# Altium PCB Printing.PcbDoc (part 5 of 5)
Units mil, origin at the board's own origin, x right, y up, seen from the top; angles counter-clockwise.
Board outline 7490 x 7700 mil, 4 copper layers (Top Layer, 5v/3.3V, 24V, Bottom Layer), stack 23.756 mil thick; 442 components, 334 nets, 1379 pads, 508 vias.
Unrouted connection lines stored in the file: 151.
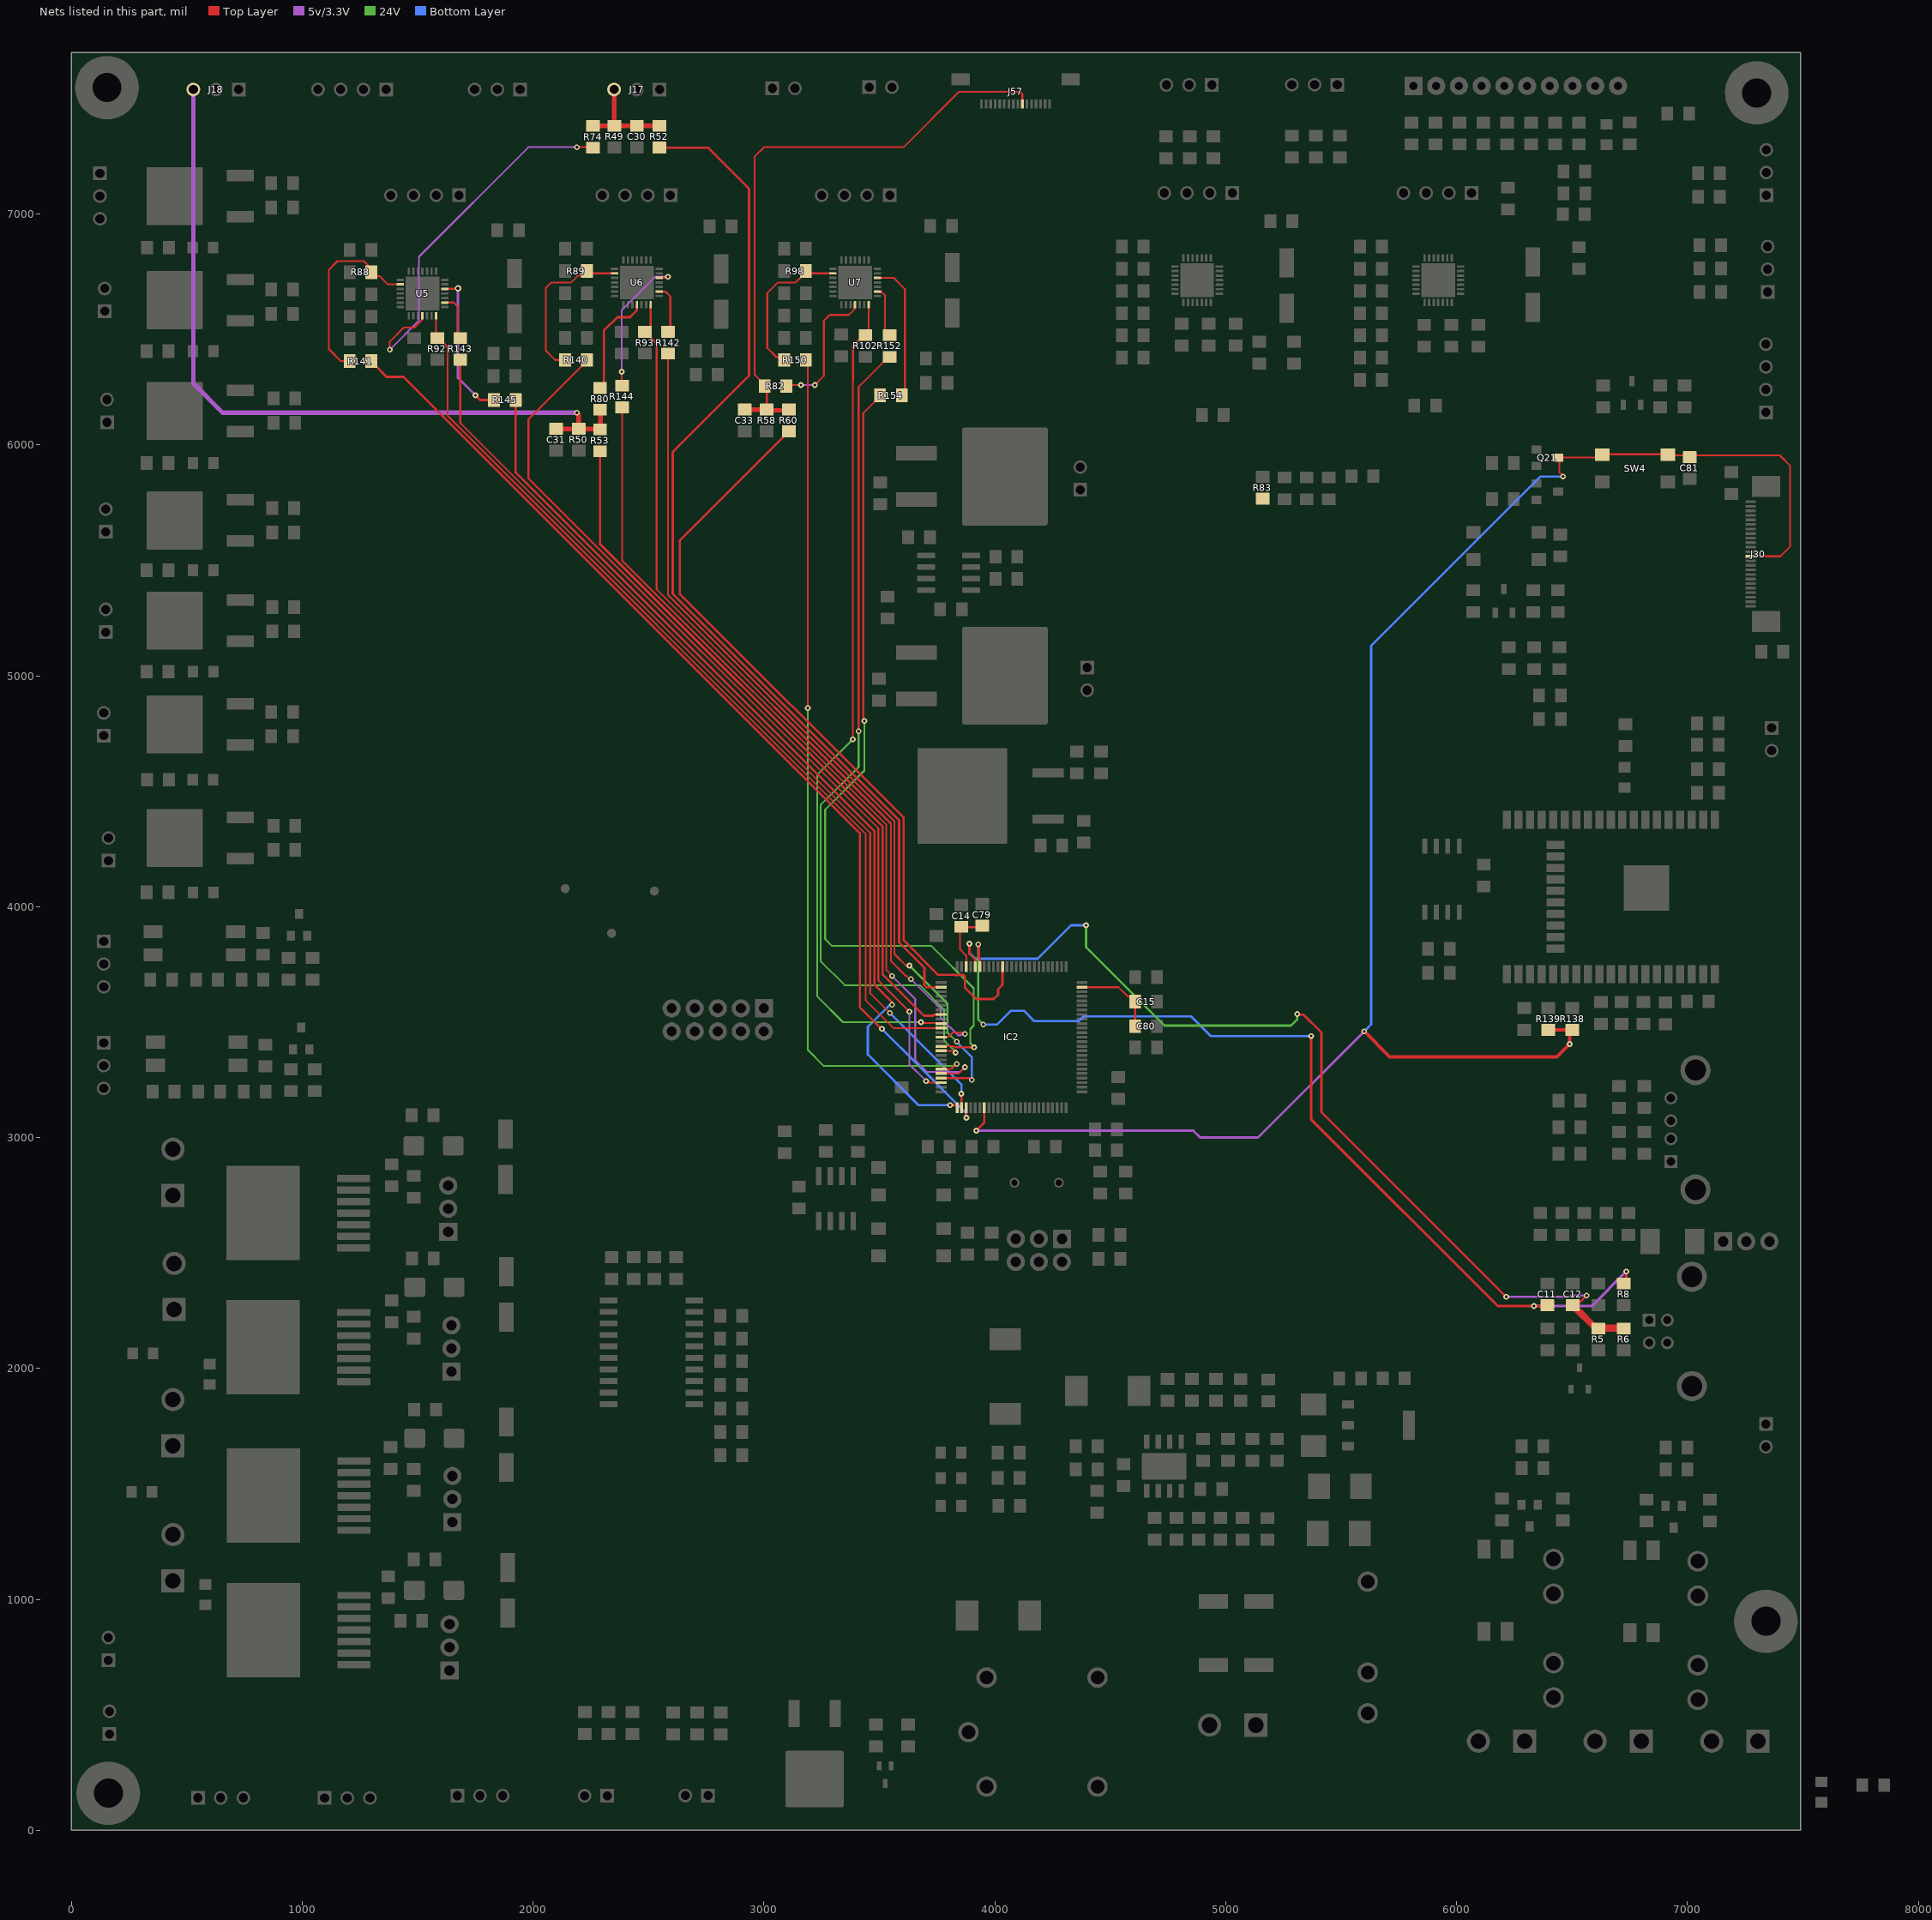
[diagram p7: the nets of this part, all layers, seen from the top]

## Via types
v1: diameter 25, hole 12, Top Layer to Bottom Layer, tented both sides, 482 vias
v2: diameter 19.68, hole 11.81, Top Layer to Bottom Layer, 15 vias
v3: diameter 28, hole 14, Top Layer to Bottom Layer, tented both sides, 9 vias
v4: diameter 24, hole 12, Top Layer to Bottom Layer, tented both sides, 2 vias

## Nets (pads, with @x,y where several pads share a name; then routed paths per layer and width w, separated by ;. In a path a pad name is that pad's centre, name@x,y a point inside that pad or via, vN(x,y) a via of type N, cw(c..) or ccw(c..) an arc to the next point about the centre after c; other vN are vias at no path point) (continued)
USB_CPU_N: C11.2 IC2.70 R8.1 | length 4201.6
  Top Layer w10: v1(3927.75,3837.25) 3930.5,3834.5 3930.5,3779.85 3935.79,3774.57 3935.79,3741.07 IC2.70@3934.82,3740.11
  Top Layer w12: v1(5370,3440) 5370,3080 6180,2270 6389.24,2270 C11.2@6393,2273.76 ; R8.1@6724.42,2369.27 6735,2379.85 v1(6735,2420)
  5v/3.3V w12: v1(6335,2270) 6585,2270 v1(6735,2420)
  24V w10: v1(3927.75,3837.25) 3927.75,3512.25 v1(3950,3490)
  Bottom Layer w10: v1(3950,3490) 4009.85,3490 4069.35,3549.5 4125.15,3549.5 4170.15,3504.5 4363.54,3504.5 4384.04,3525 4849.65,3525 4934.65,3440 v1(5370,3440)
USB_CPU_P: C12.2 IC2.71 R5.1 R6.1 | length 4197.3
  Top Layer w10: v1(3890,3840) 3890,3796.31 3915.14,3771.17 IC2.71@3915.14,3740.11 ; v1(5310,3535) 5312.5,3532.5 5337.5,3532.5 5415,3455 5415,3110 v1(6215,2310) ; C12.2@6521.94,2273.76 6563,2314.82 v1(6563,2316)
  Top Layer w30: C12.2@6503.47,2273.76 6512.7,2264.52 6516.64,2264.52 6518,2263.17 6518,2259.23 6593.39,2183.83 6603.35,2183.83 R5.1@6613.94,2173.24 ; R5.1@6616.41,2175.17 6620.35,2175.17 6620.74,2174.78 6724.02,2174.78 R6.1@6724.42,2174.39
  5v/3.3V w10: v1(6215,2310) 6215.5,2310.5 6492.5,2310.5 6498,2316 v1(6563,2316)
  24V w10: v1(4395,3920) 4395,3825 4735,3485 5282.3,3485 5310,3512.7 v1(5310,3535)
  Bottom Layer w10: v1(3890,3840) 3890,3800 3915,3775 4185.47,3775 4330.47,3920 v1(4395,3920)
VCAP1: C15.2 C80.2 IC2.49 | length 362.2
  Top Layer w8: IC2.49@4377.73,3651.52 4535.86,3651.52 4575.56,3611.82 4586.34,3611.82 4604.51,3593.66 C15.2@4604.51,3582.88 ; C80.2@4607.93,3482.22 C15.2@4607.93,3582.88
VCAP2: C14.2 C79.2 IC2.73 | length 269.8
  Top Layer w8: C14.2@3849.52,3905 3849.52,3814.16 3876.75,3786.93 3876.75,3741.09 IC2.73@3875.77,3740.11 ; C14.2@3860.27,3912.28 3861.41,3911.14 3951.36,3911.14 C79.2@3952.5,3910
WIFI_IO0: C81.1 IC2.7 J30.12 Q21.3 R138.1 R139.2 SW4.2 SW4.3 | length 7610
  Top Layer w8: v1(6461.29,5863.71) 6461.29,5865.78 6445,5882.07 6445,5940.65 Q21.3@6440.16,5945.5 6618.88,5945.5 SW4.2@6631.54,5958.15 6633.11,5959.72 SW4.3@6915,5959.72 ; SW4.3@6915,5958.15 6918.15,5955 7002.24,5955 C81.1@7010,5947.24 7017.76,5955 7400,5955 7445,5910 7445,5560 7403.03,5518.03 J30.12@7273.76,5518.03
  Top Layer w10: v1(3920,3030) 3954.51,3064.51 IC2.7@3954.51,3129.87
  Top Layer w15: v1(5600,3460) 5710,3350 6435,3350 v1(6490,3405) 6490,3453.58 6502.22,3465.8 R138.1@6501.65,3466.38 R139.2@6397.65,3466.38
  5v/3.3V w10: v1(3920,3030) 4860,3030 4890,3000 5140,3000 v1(5600,3460)
  Bottom Layer w10: v1(5600,3460) 5630,3490 5630,5130 6363.71,5863.71 v1(6461.29,5863.71)
X-: IC2.77 R52.1 | length 4576
  Top Layer w10: R52.1@2547,7288.18 2756.82,7288.18 2935,7110 2935,6300 2605,5970 2605,5355 3585,4375 3585,3845 3695,3735 3695,3660 3703.48,3651.52 IC2.77@3767.5,3651.52
X-0: C30.1 J17.3 R49.2 R52.2 R74.1 | length 453.5
  Top Layer w20: R74.1@2260,7382.24 2260.21,7382.46 R49.2@2352.39,7382.46 ; J17.3@2350.57,7540 2351.48,7539.09 2351.48,7383.58 R49.2@2352.39,7382.67 ; R49.2@2358.4,7382.67 C30.1@2449.69,7382.67 R52.2@2561.33,7382.67
X_DIR: IC2.1 R145.1 | length 4046.9
  Top Layer w10: R145.1@1924.49,6195 1924.49,5880.51 3479,4326 3479,3661 3555,3585 v1(3555,3575.5) ; v1(3806.75,3140.5) 3835.1,3140.5 3836.4,3139.2 IC2.1@3836.4,3129.87
  Bottom Layer w10: v1(3555,3575.5) 3554.61,3575.89 3546.33,3575.89 3534.94,3564.5 3534.5,3564.5 3450,3480 3450,3360 3669.5,3140.5 v1(3806.75,3140.5)
x_DIR1: R145.2 U5.19 | length 669.5
  Top Layer w10: U5.19@1617.09,6676.09 1617.4,6676.4 1672.48,6676.4 v3(1674.41,6678.33) ; v1(1750,6215) 1770,6195 R145.2@1830,6195 R145.2@1810,6215
  5v/3.3V w10: v3(1674.41,6678.33) 1674.41,6290.59 v1(1750,6215)
X_EN: IC2.3 R141.1 | length 4440.5
  Top Layer w10: R141.1@1296.65,6362.15 1320,6338.8 1321.18,6338.8 1364.98,6295 1439.04,6295 3415,4319.04 3415,3565 v1@3510,3470 ; IC2.3@3875.77,3129.87 3876.26,3129.38 3876.26,3085.99 v1(3876.75,3085.5)
  Bottom Layer w10: v1@3506.9,3475 v1(3510.95,3470.95) 3670.51,3311.39 3873.88,3108.02 3873.88,3088.37 v1(3876.75,3085.5)
X_EN1: R88.1 R141.2 U5.2 | length 837.5
  Top Layer w8: R141.2@1202.17,6363.33 1167.41,6363.33 1115,6415.74 1115,6758.92 1152.41,6796.33 1266.41,6796.33 1288.41,6774.33 1288.41,6741.66 1297.8,6732.28 1298.74,6731.33 1335.41,6731.33 1370.97,6695.77 U5.2@1424.17,6695.77
X_STEP: IC2.2 R143.1 | length 4139
  Top Layer w8: R143.1@1684.41,6368.84 1684.41,6095.59 3460,4320 3460,3625 v1(3545,3540) ; v1(3855,3190) 3855.54,3189.46 3855.54,3130.41 IC2.2@3856.08,3129.87 IC2.2@3856.42,3130.2
  Bottom Layer w10: v1(3545,3540) 3855,3230 v1(3855,3190)
X_STEP1: R143.2 U5.16 | length 197.8
  Top Layer w8: U5.16@1617.09,6617.03 1655.71,6617.03 1674.41,6598.33 R143.2@1674.41,6465.58
X_UART: IC2.86 R92.1 U5.14 | length 4115.3
  Top Layer w8: U5.14@1579.69,6559.94 1579.69,6470.3 1584.41,6465.58 1588.35,6465.58 1629.41,6424.51 1629.41,6127.26 3440,4316.67 3440,3595 3560.64,3474.36 IC2.86@3767.5,3474.36
XDIAG: R74.2 U5.11 | length 1638.4
  Top Layer w8: v1(1379.41,6413.33) 1379.41,6448.33 1439.41,6508.33 1485.37,6508.33 1519.31,6542.28 1519.31,6558.63 U5.11@1520.63,6559.94 ; v1(2190,7290) 2257.76,7290 R74.2@2260,7287.76
  5v/3.3V w8: v1(1379.41,6413.33) 1505,6538.92 1505,6815 1980,7290 v1(2190,7290)
Y-: IC2.83 R53.1 | length 3103.4
  Top Layer w10: R53.1@2290,5972.76 2290,5570 3514,4346 3514,3706.35 3692.81,3527.54 3732.19,3527.54 3736.76,3532.11 3766.2,3532.11 IC2.83@3767.5,3533.41
Y_0: C31.1 J18.3 R50.2 R53.2 R80.1 | length 3349.8
  Top Layer w20: C31.1@2100,6070 R50.2@2197.31,6070 ; v1(2190,6140) 2190,6138.65 2197.31,6131.34 R50.2@2197.31,6070 ; R80.1@2290,6152.76 2292.31,6150.45 2292.31,6072.31 2294.61,6070 R50.2@2197.31,6070
  5v/3.3V w20: J18.3@528.15,7550 528.15,6266.85 655,6140 v1(2190,6140)
Y_DIR: IC2.96 R144.1 | length 3711.7
  Top Layer w8: R144.1@2385,6162.76 2385,5500 3530,4355 3530,3725 v1(3555,3700) ; IC2.96@3767.5,3277.51 3842.51,3277.51 3852.86,3287.86 v1(3870,3305)
  5v/3.3V w8: v1(3555,3700) 3655,3600 3655,3335 3705,3285 3850,3285 v1(3870,3305)
Y_DIR1: R144.2 U6.19 | length 627.6
  Top Layer w8: v1(2384,6317) 2384,6258.24 R144.2@2385,6257.24 ; U6.19@2546.3,6723.84 2574.99,6723.84 2579.81,6728.66 v1(2584.41,6728.66)
  5v/3.3V w8: v1(2384,6317) 2384,6584 2528.66,6728.66 v1(2584.41,6728.66)
Y_EN: IC2.98 R140.1 | length 4009.8
  Top Layer w8: R140.1@2233.46,6368.33 2233.46,6364.39 1980,6110.93 1980,5855 3495,4340 3495,3680 v1(3630,3545) ; v1(3702.75,3244.5) 3707.35,3244.5 3713.71,3238.14 IC2.98@3767.5,3238.14
  5v/3.3V w8: v1(3630,3545) 3630,3317.25 v1(3702.75,3244.5)
Y_EN1: R89.1 R140.2 U6.2 | length 710.1
  Top Layer w8: R140.2@2138.98,6368.33 2095.41,6368.33 2055,6408.74 2055,6679.92 2078.41,6703.33 2163.41,6703.33 2192.88,6732.8 2210.06,6732.8 R89.1@2231.65,6754.39 ; R89.1@2233.46,6745.38 2235.31,6743.53 U6.2@2353.39,6743.53 U6.2@2363.39,6743.53
Y_STEP: IC2.97 R142.1 | length 3838.3
  Top Layer w8: R142.1@2584.41,6396.09 2584.41,5350.59 3565,4370 3565,3795 3619.19,3740.81 3620.12,3741.75 3626.75,3741.75 v1(3630,3745) ; IC2.97@3767.5,3257.82 3888.08,3257.82 3895.4,3250.5 v1(3900,3250.5)
  24V w8: v1(3630,3745) 3795,3580 3795,3455 v1(3835,3415)
  Bottom Layer w10: v1(3835,3415) 3900,3350 v1(3900,3250.5)
Y_STEP1: R142.2 U6.16 | length 208.9
  Top Layer w8: U6.16@2546.3,6664.79 2572.95,6664.79 2594.41,6643.33 2594.41,6505.58 R142.2@2584.41,6495.58
Y_UART: IC2.88 R93.1 U6.14 | length 3929.5
  Top Layer w8: R93.1@2458.88,6468.09 2458.88,6468.98 2480.47,6490.58 R93.1@2481.36,6490.58 ; R93.1@2474.41,6490.58 2496,6512.17 2503.24,6512.17 2508.9,6517.82 U6.14@2508.9,6607.7 ; R93.1@2484.41,6490.58 2488.35,6490.58 2509.94,6468.98 2509.94,6465.05 2535,6439.98 2535,5375 3550,4360 3550,3765 3615,3700 3618.38,3700 3631.89,3686.49 v1(3636.49,3686.49) ; IC2.88@3767.5,3434.99 3769.8,3437.29 3800.01,3437.29 3818.22,3455.5 3859.2,3455.5 3865.65,3449.05 v1(3870.25,3449.05)
  5v/3.3V w8: v1(3636.49,3686.49) 3636.74,3686.49 3765,3558.23 3765,3520 3841.75,3443.25 3849.75,3443.25 3852.29,3445.8 3866.99,3445.8 v1(3870.25,3449.05)
YDIAG: R80.2 U6.11 | length 458.9
  Top Layer w10: R80.2@2290,6247.24 2306.41,6263.65 2306.41,6495.33 2364.41,6553.33 2419.41,6553.33 2449.53,6583.45 2449.53,6607.39 U6.11@2449.84,6607.7
Z+0: R83.1
Z-: IC2.65 R60.1 | length 3481.7
  Top Layer w10: R60.1@3107.8,6059.18 2635,5586.39 2635,5355 3605,4385 3605,3855 3755,3705 3824.61,3705 3825.13,3704.48 3864.14,3704.48 3870,3698.63 3870,3650 3920,3600 3994.65,3600 4014.2,3619.55 4014.2,3642.31 4033.25,3661.36 IC2.65@4033.25,3740.11
Z_0: C33.1 J57.7 R58.2 R60.2 R82.1 | length 2695.3
  Top Layer w8: C33.1@2892.18,6175.26 2912.34,6155.1 2897.9,6140.65 C33.1@2897.9,6136.72 ; R58.2@3012.11,6153.67 3012.11,6262.89 2998.8,6262.89 2981.17,6280.53 2981.17,6283.07 2960,6304.24 2960,7250 3000,7290 3605,7290 3845,7530 4110,7530 4119.53,7520.47 J57.7@4119.53,7477.64
  Top Layer w20: C33.1@2916.43,6153.67 R58.2@3012.11,6153.67 3015.78,6150 3104.13,6150 R60.2@3107.8,6153.67
Z_DIR: IC2.90 R154.1 | length 3609.8
  Top Layer w8: v1(3435,4805) 3430,4805 3430,6138.31 3502.76,6211.06 R154.1@3502.76,6215 R154.1@3499.76,6212 ; IC2.90@3767.5,3395.62 3767.81,3395.31 3821.46,3395.31 3825.27,3391.5 3909.3,3391.5 v1(3910,3390.8)
  24V w8: v1(3435,4805) 3435,4590 3265,4420 3265,3860 3295,3830 3725,3830 3908.5,3646.5 3908.5,3485.27 3893.75,3470.51 3893.75,3409.2 3910,3392.94 v1(3910,3390.8)
Z_DIR1: R154.2 U7.19 | length 619.3
  Top Layer w8: U7.19@3491.1,6723.84 3520.32,6723.84 3561.9,6723.84 3610.41,6675.33 R154.2@3610.41,6195.41
Z_EN: IC2.95 R150.1 | length 3751
  Top Layer w8: R150.1@3181.65,6368.33 3190,6359.98 v1(3190,4860) v1@3190,4855 ; IC2.95@3767.5,3297.19 3812.19,3297.19 3834,3319 v1(3835,3319)
  24V w8: v1(3190,4860) 3190,3380 3260,3310 3821.4,3310 3830.4,3319 v1(3835,3319)
Z_EN1: R98.1 R150.2 U7.2 | length 654.1
  Top Layer w8: R150.2@3087.17,6373.33 3080.02,6380.48 3054.26,6380.48 3014.41,6420.33 3014.41,6658.33 3059.41,6703.33 3136.45,6703.33 3146.04,6712.92 3146.24,6712.92 3160.06,6726.74 3160.06,6728.22 3180.17,6748.33 3181.65,6748.33 3186.46,6743.53 U7.2@3298.19,6743.53
Z_STEP: IC2.91 R152.1 | length 3642.9
  Top Layer w8: v1(3410,4760) 3410,6251.68 3518.88,6360.56 3518.88,6364.5 3540.47,6386.09 R152.1@3544.41,6386.09 ; IC2.91@3767.5,3375.93 3817.47,3375.93 3825.4,3368 v1(3830,3368)
  24V w8: v1(3410,4760) 3410,4605 3245,4440 3245,3765 3350,3660 3675,3660 3780,3555 3780,3421.5 3830,3371.5 v1(3830,3368)
Z_STEP1: R152.2 U7.16 | length 209.8
  Top Layer w8: U7.16@3491.1,6664.79 3492.42,6663.47 3508.77,6663.47 3524.41,6647.83 R152.2@3524.41,6478.33
Z_UART: IC2.85 R102.1 U7.14 | length 3676.6
  Top Layer w8: v1(3385,4725) 3385,6273.92 3385.41,6274.33 3385.41,6430.49 3435.49,6480.58 R102.1@3439.16,6480.58 ; R102.1@3438.48,6481.26 3453.7,6496.48 U7.14@3453.7,6607.7 ; v1(3680,3500) 3684.05,3495.95 3765.59,3495.95 IC2.85@3767.5,3494.04
  24V w8: v1(3385,4725) 3230,4570 3230,3611.77 3341.77,3500 v1(3680,3500)
ZDIAG: R82.2 U7.11 | length 593
  Top Layer w8: R82.2@3097.24,6255 3102.24,6260 v1(3160,6260) ; v1(3220,6260) 3259.41,6299.41 3259.41,6538.33 3284.41,6563.33 3366.63,6563.33 3393.33,6590.03 3393.33,6606.39 U7.11@3394.65,6607.7
  5v/3.3V w8: v1(3160,6260) v1(3220,6260)
pads on no net: FID1.1 FID2.1 FID3.1 IC2.6 IC2.18 IC2.51 J1.3 J30.1 J30.2 J30.24 J47.1 J47.8 J57.16 J57.MP1 J57.MP2 RLY1.4 U4.32 U4.37 U5.7 U5.9 U5.10 U5.12 U5.17 U5.20 U5.25 U6.7 U6.9 U6.10 U6.12 U6.17 U6.20 U6.25 U7.7 U7.9 U7.10 U7.12 U7.17 U7.20 U7.25 U8.7 U8.9 U8.10 U8.12 U8.17 U8.20 U8.25 U9.7 U9.9 U9.10 U9.12 U9.17 U9.20 U9.25 U17.1 U17.8

## Polygon pours and split planes (outlines as drawn)
220_N on Top Layer "220_N_L01_P117" (solid, pour order 117): 6440,625 6400,625 6375,610 6375,520 6560,335 6625,335 6660,370 6660,430 6750,520 7080,520 7110,550 7110,595 7080,625
220_L on Top Layer "220_L_L01_P122" (solid, pour order 122): 6355.04,432.41 6345.04,442.41 6345.04,447.41 6245.04,447.41 6235.04,437.41 6235.04,337.41 6235.04,202.41 6290.04,147.41 7135.04,147.41 7175.04,187.41 7175.04,437.41 7160.04,452.41 6762.41,452.41 6730.04,420.04 6730.04,347.41 6670.04,287.41 6495.04,287.41 6355.04,427.41 6355.04,437.41 6345.04,447.41
GND on Top Layer "Top Layer-GND 3" (solid, pour order 34): 1944.41,6618.33 1954.41,6608.33 1954.41,6483.33 1944.41,6473.33 1814.41,6473.33 1804.41,6483.33 1804.41,6608.33 1814.41,6618.33
+24VA on Top Layer "Top Layer-GND 3" (solid, pour order 33): 1943.41,6812.33 1953.41,6802.33 1953.41,6677.33 1943.41,6667.33 1813.41,6667.33 1803.41,6677.33 1803.41,6802.33 1813.41,6812.33
24V_SW on Top Layer "Top Layer-24V_SW" (solid, pour order 106): 5057.5,522.5 5085,550 5480.23,550 5586.89,735 5665,735 5712.5,687.5 5712.5,362.5 5680,330 5075,330 5057.5,347.5
+3V3 on Top Layer "Top Layer-+3V3" (solid, pour order 112): 5775,1991.38 5776.38,1990 5885,1990 5885,1945 5865,1925 5795,1925 5775,1945
NetC64_2 on Top Layer "NETC64_2_L01_P120" (solid, pour order 120): 3960,2185 3950,2175 3950,2085 3985,2050 4665,2050 4725,1990 4725,1930 5225,1930 5225,1990 5180,2035 4830,2035 4680,2185 4665,2185
NetD8_2 on Top Layer "Top Layer-NetD8_2" (solid, pour order 60): 5505,1525 5535,1555 5695,1555 5705,1545 5705,895 5680,870 5525,870 5505,890
NetC17_2 on Top Layer "NETC17_2_L01_P119" (solid, pour order 119): 3960,1855 3960,1755 3980,1735 4280,1735 4315,1700 4315,1535 4325,1525 4375,1525 4385,1535 4385,1710 4390,1715 4490,1715 4560,1645 4670,1645 4680,1655 4680,1725 4665,1740 4540,1740 4410,1850 4410,1970 4395,1985 4305,1985 4190,1870 3975,1870
NetC17_2 on Top Layer "Top Layer-NetC17_2" (solid, pour order 4): 4672.5,1722.5 4672.5,1652.5 4637.5,1652.5 4622.5,1667.5 4622.5,1712.5 4632.5,1722.5
GND on Top Layer "Top Layer-GND 2" (solid, pour order 61): 4675,1990 4690,1975 4690,1905 4695,1900 5000,1900 5010,1890 5010,1795 4990,1775 4585,1775 4515,1845 4515,1985 4520,1990
+24V on Top Layer "Top Layer-+24V 1" (solid, pour order 104): 5445,1555 5475,1525 5475,680 5400,605 5090,605 5055,640 5055,1030 5140,1115 5220,1115 5330,1225 5330,1530 5355,1555
+24V on Top Layer "Top Layer-+24V" (solid, pour order 105): 4845,1290 4920,1290 4930,1280 4930,1160 4950,1140 5165,1140 5190,1115 5190,1045 5170,1025 5135,1060 4885,1060 4840,1105 4840,1285
GND on Top Layer "Top Layer-GND 1" (solid, pour order 109): 4865,320 4860,320 4875,320 4995,320 5020,345 5020,1030 5015,1035 4810,1035 4790,1015 4790,355 4825,320 4875,320
+24VA on Top Layer "Top Layer-+24VA 4" (solid, pour order 72): 4190,7515 4200,7525 4320,7525 4345,7500 4345,7415 4320,7390 4215,7390 4190,7415
GND on Top Layer "Top Layer-GND" (solid, pour order 65): 3955,7450 3935,7430 3790,7430 3765,7405 3765,7310 3785,7290 3935,7290 3950,7305 3950,7365 4010,7425 4010,7505 4005,7510 3955,7510
HOTEND on Top Layer "Top Layer-HOTEND" (solid, pour order 64): 4010,5915 3970,5955 3970,7370 4015,7415 4015,7515 4020,7520 4080,7520 4085,7515 4085,7360 4265,7180 4265,6145 4270,6140 4270,5655 4245,5630 3990,5630 3990,5945 3960,5975 3970,5985 3970,6070
+24VA on Top Layer "Top Layer-GND 4" (solid, pour order 52): 1962.27,814.98 1952.27,804.98 1827.27,804.98 1817.27,814.98 1817.27,983.98 1836.27,1002.98 1945.27,1002.98 1962.27,985.98
+24VA on Top Layer "Top Layer-GND 4" (solid, pour order 51): 1961.27,1445.98 1951.27,1435.98 1826.27,1435.98 1816.27,1445.98 1816.27,1614.98 1835.27,1633.98 1944.27,1633.98 1961.27,1616.98
+24VA on Top Layer "Top Layer-GND 4" (solid, pour order 50): 1959.27,2096.98 1949.27,2086.98 1824.27,2086.98 1814.27,2096.98 1814.27,2265.98 1833.27,2284.98 1942.27,2284.98 1959.27,2267.98
+24VA on Top Layer "Top Layer-GND 4" (solid, pour order 49): 1949.27,2692.98 1939.27,2682.98 1814.27,2682.98 1804.27,2692.98 1804.27,2861.98 1823.27,2880.98 1932.27,2880.98 1949.27,2863.98
+24VA on Top Layer "Top Layer-GND 6" (solid, pour order 48): 1265.27,1140.98 1255.27,1150.98 1130.27,1150.98 1120.27,1140.98 1120.27,1010.98 1130.27,1000.98 1255.27,1000.98 1265.27,1010.98
+24VA on Top Layer "Top Layer-GND 6" (solid, pour order 47): 1264.27,1721.98 1254.27,1731.98 1129.27,1731.98 1119.27,1721.98 1119.27,1591.98 1129.27,1581.98 1254.27,1581.98 1264.27,1591.98
+24VA on Top Layer "Top Layer-GND 6" (solid, pour order 46): 1263.27,2359.98 1253.27,2369.98 1128.27,2369.98 1118.27,2359.98 1118.27,2229.98 1128.27,2219.98 1253.27,2219.98 1263.27,2229.98
+24VA on Top Layer "Top Layer-GND 6" (solid, pour order 45): 1259.27,2943.98 1249.27,2953.98 1124.27,2953.98 1114.27,2943.98 1114.27,2813.98 1124.27,2803.98 1249.27,2803.98 1259.27,2813.98
+24VA on Top Layer "Top Layer-+24VA" (solid, pour order 43): 5971.41,6792.33 6034.41,6792.33 6046.41,6804.33 6046.41,6867.33 5994.41,6867.33 5971.41,6844.33
GND on Top Layer "Top Layer-GND 3" (solid, pour order 42): 3821.41,6644.33 3831.41,6634.33 3831.41,6509.33 3821.41,6499.33 3691.41,6499.33 3681.41,6509.33 3681.41,6634.33 3691.41,6644.33
GND on Top Layer "Top Layer-GND 3" (solid, pour order 41): 6357.41,6668.33 6367.41,6658.33 6367.41,6533.33 6357.41,6523.33 6227.41,6523.33 6217.41,6533.33 6217.41,6658.33 6227.41,6668.33
GND on Top Layer "Top Layer-GND 3" (solid, pour order 40): 5293.41,6666.33 5303.41,6656.33 5303.41,6531.33 5293.41,6521.33 5163.41,6521.33 5153.41,6531.33 5153.41,6656.33 5163.41,6666.33
+24VA on Top Layer "Top Layer-GND 3" (solid, pour order 39): 6362.41,6863.33 6372.41,6853.33 6372.41,6728.33 6362.41,6718.33 6232.41,6718.33 6222.41,6728.33 6222.41,6853.33 6232.41,6863.33
+24VA on Top Layer "Top Layer-GND 3" (solid, pour order 38): 5294.41,6862.33 5304.41,6852.33 5304.41,6727.33 5294.41,6717.33 5164.41,6717.33 5154.41,6727.33 5154.41,6852.33 5164.41,6862.33
+24VA on Top Layer "Top Layer-GND 3" (solid, pour order 37): 3824.41,6841.33 3834.41,6831.33 3834.41,6706.33 3824.41,6696.33 3694.41,6696.33 3684.41,6706.33 3684.41,6831.33 3694.41,6841.33
GND on Top Layer "Top Layer-GND 3" (solid, pour order 36): 2840.41,6640.33 2850.41,6630.33 2850.41,6505.33 2840.41,6495.33 2710.41,6495.33 2700.41,6505.33 2700.41,6630.33 2710.41,6640.33
+24VA on Top Layer "Top Layer-GND 3" (solid, pour order 35): 2836.41,6837.33 2846.41,6827.33 2846.41,6702.33 2836.41,6692.33 2706.41,6692.33 2696.41,6702.33 2696.41,6827.33 2706.41,6837.33
GND on Top Layer "Top Layer-GND 3" (solid, pour order 31): 656,4487 666,4497 791,4497 801,4487 801,4357 791,4347 666,4347 656,4357
GND on Top Layer "Top Layer-GND 4" (solid, pour order 30): 656,7262 666,7272 791,7272 801,7262 801,7132 791,7122 666,7122 656,7132
GND on Top Layer "Top Layer-GND 5" (solid, pour order 29): 656,6812 666,6822 791,6822 801,6812 801,6682 791,6672 666,6672 656,6682
GND on Top Layer "Top Layer-GND 6" (solid, pour order 28): 656,6332 666,6342 791,6342 801,6332 801,6202 791,6192 666,6192 656,6202
GND on Top Layer "Top Layer-GND 7" (solid, pour order 27): 656,5852 666,5862 791,5862 801,5852 801,5722 791,5712 666,5712 656,5722
GND on Top Layer "Top Layer-GND 8" (solid, pour order 26): 656,5422 666,5432 791,5432 801,5422 801,5292 791,5282 666,5282 656,5292
GND on Top Layer "Top Layer-GND 9" (solid, pour order 25): 656,4957 666,4967 791,4967 801,4957 801,4827 791,4817 666,4817 656,4827
+24VA on Top Layer "Top Layer-+24VA" (solid, pour order 3): 4929.41,6793.33 4994.41,6793.33 5014.41,6813.33 5014.41,6868.33 4954.41,6868.33 4929.41,6843.33
+24VA on Top Layer "Top Layer-+24VA 1" (solid, pour order 2): 3444.41,6788.33 3444.41,6818.33 3479.41,6853.33 3519.41,6853.33 3529.41,6843.33 3529.41,6793.33 3519.41,6783.33 3449.41,6783.33
+24VA on Top Layer "Top Layer-+24VA 2" (solid, pour order 1): 2559.41,6783.33 2569.41,6793.33 2569.41,6848.33 2554.41,6863.33 2539.41,6863.33 2499.41,6823.33 2499.41,6788.33 2504.41,6783.33
+24VA on Top Layer "Top Layer-+24VA 3" (solid, pour order 0): 1624.41,6738.33 1654.41,6768.33 1654.41,6808.33 1649.41,6813.33 1609.41,6813.33 1574.41,6778.33 1574.41,6738.33
+3V3 on 5v/3.3V "+3V3_L02_P125" (solid, pour order 125): 175,7370 5,7200 5,530 530,5 5675,5 5855,185 5855,1150 6175,1470 7395,1470 7485,1560 7485,3510 7375,3620 7205,3620 7095,3730 7095,4380 7185,4470 7375,4470 7485,4585 7485,4770 7485,6785 6900,7370
+5V on 5v/3.3V "+5V_L02_P099" (solid, pour order 99): 670,7670 670,7435 725,7380 6905,7380 7210,7075 7210,5990 7245,5955 7460,5955 7485,5980 7485,7120 6910,7695 695,7695
+5V on 5v/3.3V "5v/3.3V-+5V" (solid, pour order 110): 530,3065 570,3105 570,3235 525,3280 320,3280 290,3250 290,3090 315,3065 425,3065
+24VA on 24V "+24VA_L03_P127" (solid, remove dead copper, pour order 127): 5,7200 5,530 530,5 3900,5 4275,380 4615,380 4825,590 4825,890 4880,945 5795,945 5855,1005 5855,1150 6175,1470 7395,1470 7485,1560 7485,3510 7375,3620 7205,3620 7095,3730 7095,4380 7185,4470 7370,4470 7485,4585 7485,7120 6910,7695 500,7695
24V_SW on 24V "24V_SW_L03_P121" (solid, pour order 121): 5490,715 5490,570 5460,540 5105,540 5025,460 5025,315 4990,280 4375,280 4315,220 4315,130 4370,75 5710,75 5750,115 5750,745 5710,785 5560,785
+5V on 24V "24V-+5V" (solid, pour order 113): 6270,2530 6100,2530 6100,2485 6077.5,2462.5 6110,2430 6280,2430 6315,2465 6315,2530
GND on Bottom Layer "GND_L04_P126" (solid, pour order 126): 5,7695 5,10 10,5 5675,5 5855,185 5855,1145 6160,1450 7345,1450 7485,1590 7485,3510 7375,3620 7205,3620 7130,3695 7130,4415 7185,4470 7370,4470 7485,4585 7485,7695

## Silkscreen, mask and mechanical layers (free items; w line width, h text height)
Top Overlay:
  drawing of 1299 lines, arcs and shapes, not listed
  text "Screen" at 1155,7665 h40
  text "Backup" at 1790,7665 h40
  text "X Probe" at 2380,7665 h40
  text "S" at 5281,7660.83 h15
  text "GND" at 5371,7660.83 h15
  text "5V" at 5471,7660.83 h15
  text "S" at 4737.57,7660.17 h15
  text "GND" at 4827.57,7660.17 h15
  text "5V" at 4927.57,7660.17 h15
  text "+24V" at 3400,7655 h30
  text "GND" at 3530,7655.33 h30
  text "Y Probe" at 565,7650 h40
  text "+24V" at 2995,7650 h30
  text "GND" at 3115,7650.33 h30
  text "S" at 1741,7640.22 h20
  text "GND" at 1831,7640.22 h20
  text "5V" at 1931,7640.22 h20
  text "S" at 2345,7640.22 h20
  text "GND" at 2435,7640.22 h20
  text "5V" at 2535,7640.22 h20
  text "RX" at 1060,7635 h20
  text "TX" at 1155,7635 h20
  text "GND" at 1245,7635.22 h20
  text "5V" at 1355,7635.22 h20
  text "SD Card" at 6849.56,7520 h40 r90
  text "Button 2" at 5179.59,7500 h40 r90
  text "Button 1" at 4639.59,7485 h40 r90
  text "S" at 7449.83,7275 h15 r90
  text "GND" at 7449.83,7165 h15 r90
  text "S" at 294.06,7128.18 h15 r90
  text "5V" at 7449.83,7070 h15 r90
  text "Filament Runout 1" at 7479.59,7055 h40 r90
  text "Backup" at 37.9,7045 h40 r90
  text "+24V" at 294.23,7008.18 h15 r90
  text "S" at 7447.54,6865.16 h15 r270
  text "GND" at 7454.83,6760 h15 r90
  text "S" at 294.06,6678.65 h15 r90
  text "5V" at 7454.83,6655 h15 r90
  text "Filament Runout 2" at 7484.59,6630 h40 r90
  text "A-B Tank Air" at 39.59,6595 h40 r90
  text "+24V" at 294.23,6558.65 h15 r90
  text "TX" at 7450,6425 h20 r90
  text "RX" at 7450,6335 h20 r90
  text "GND" at 7449.78,6235 h20 r90
  text "S" at 314.83,6200 h15 r90
  text "5V" at 7449.78,6135 h20 r90
  text "ESP32 Programmer" at 7482.49,6135 h40 r90
  text "A Comp. Mixing" at 37.49,6120 h40 r90
  text "+24V" at 315,6080 h15 r90
  text "Air B" at 45,5645 h40 r90
  text "S" at 319.83,5290 h15 r90
  text "Clean B" at 44.56,5210 h40 r90
  text "+24V" at 320,5170 h15 r90
  text "S" at 289.83,4840 h15 r90
  text "Air A" at 35,4765 h40 r90
  text "+24V" at 7480,4765 h30 r90
  text "+24V" at 290,4720 h15 r90
  text "GND" at 7479.67,4655 h30 r90
  text "Clean A" at 34.56,4200 h40 r90
  text "Motorized Valve B" at 39.59,3620 h40 r90
  text "GND" at 2565,3620.33 h30
  text "GND" at 2665,3620.33 h30
  text "GND" at 2765,3620.33 h30
  text "GND" at 2865,3620.33 h30
  text "GND" at 2965,3620.33 h30
  text "3.3V" at 2580,3380.33 h30
  text "3.3V" at 2680,3380.33 h30
  text "3.3V" at 2780,3380.33 h30
  text "5V" at 2890,3380.33 h30
  text "5V" at 2990,3380.33 h30
  text "Motorized Valve A" at 39.59,3185 h40 r90
  text "BOOT" at 3465,2805.33 h30
  text "External Supply" at 32.49,2740 h40 r90
  text "RESET" at 3450,2535.33 h30
  text "SW_DIO" at 4287.16,2362.52 h20
  text "RESET" at 4067.16,2359.19 h20
  text "SW_CLK" at 4165,2358.55 h20
  text "3.3V" at 4285,2325.22 h20
  text "GND" at 4067.16,2324.19 h20
  text "GND" at 4177.16,2324.19 h20
  text "Gear Pump B" at 37.9,2270 h40 r90
  text "+24V" at 7465,1775 h30 r90
  text "GND" at 7464.67,1640 h30 r90
  text "External Supply" at 32.49,1635 h40 r90
  text "Right Led" at 7187.49,1635 h40 r90
  text "Gear Pump A" at 32.9,1090 h40 r90
  text "GND" at 314.72,825 h25 r90
  text "Left Led" at 34.59,760 h40 r90
  text "+24V" at 315,705 h25 r90
  text "Hotbed" at 6130,485.41 h40
  text "Air Pump" at 7150,482.1 h40
  text "AC IN" at 6685,480.44 h40
  text "Casting Switch" at 32.49,370 h40 r90
  text "Chamber Temp." at 2145,302.1 h40
  text "Bed Temp." at 2620,302.1 h40
  text "RGB Led" at 1700,300.44 h40
  text "Prime A" at 585,290.41 h40
  text "Prime B" at 1140,285.41 h40
  text "5V" at 1660,25.33 h30
  text "GND" at 1755,25.33 h30
  text "S" at 1870,25.33 h30
  text "5V" at 530,20.33 h30
  text "GND" at 630,20.33 h30
  text "S" at 735,20.33 h30
  text "5V" at 1080,15.33 h30
  text "GND" at 1170,15.33 h30
  text "S" at 1285,15.33 h30
  text "+24V" at 5115,15 h40
  text "GND" at 4910,10.44 h40
Top Solder:
  lines w10: 0,0 0,7701 7495,7701 7495,0 0,0

## Text inside footprints (layer, text, board x,y; h text height)
IC2: Top Overlay "75" at 3795,3720 h30; Top Overlay "25" at 4325,3130 h30
U4: Mechanical 13 "ANTENNA" at 7261.72,4188.02 h60 r270